# Allegro board 6089-103-RevA_73.brd (continued)
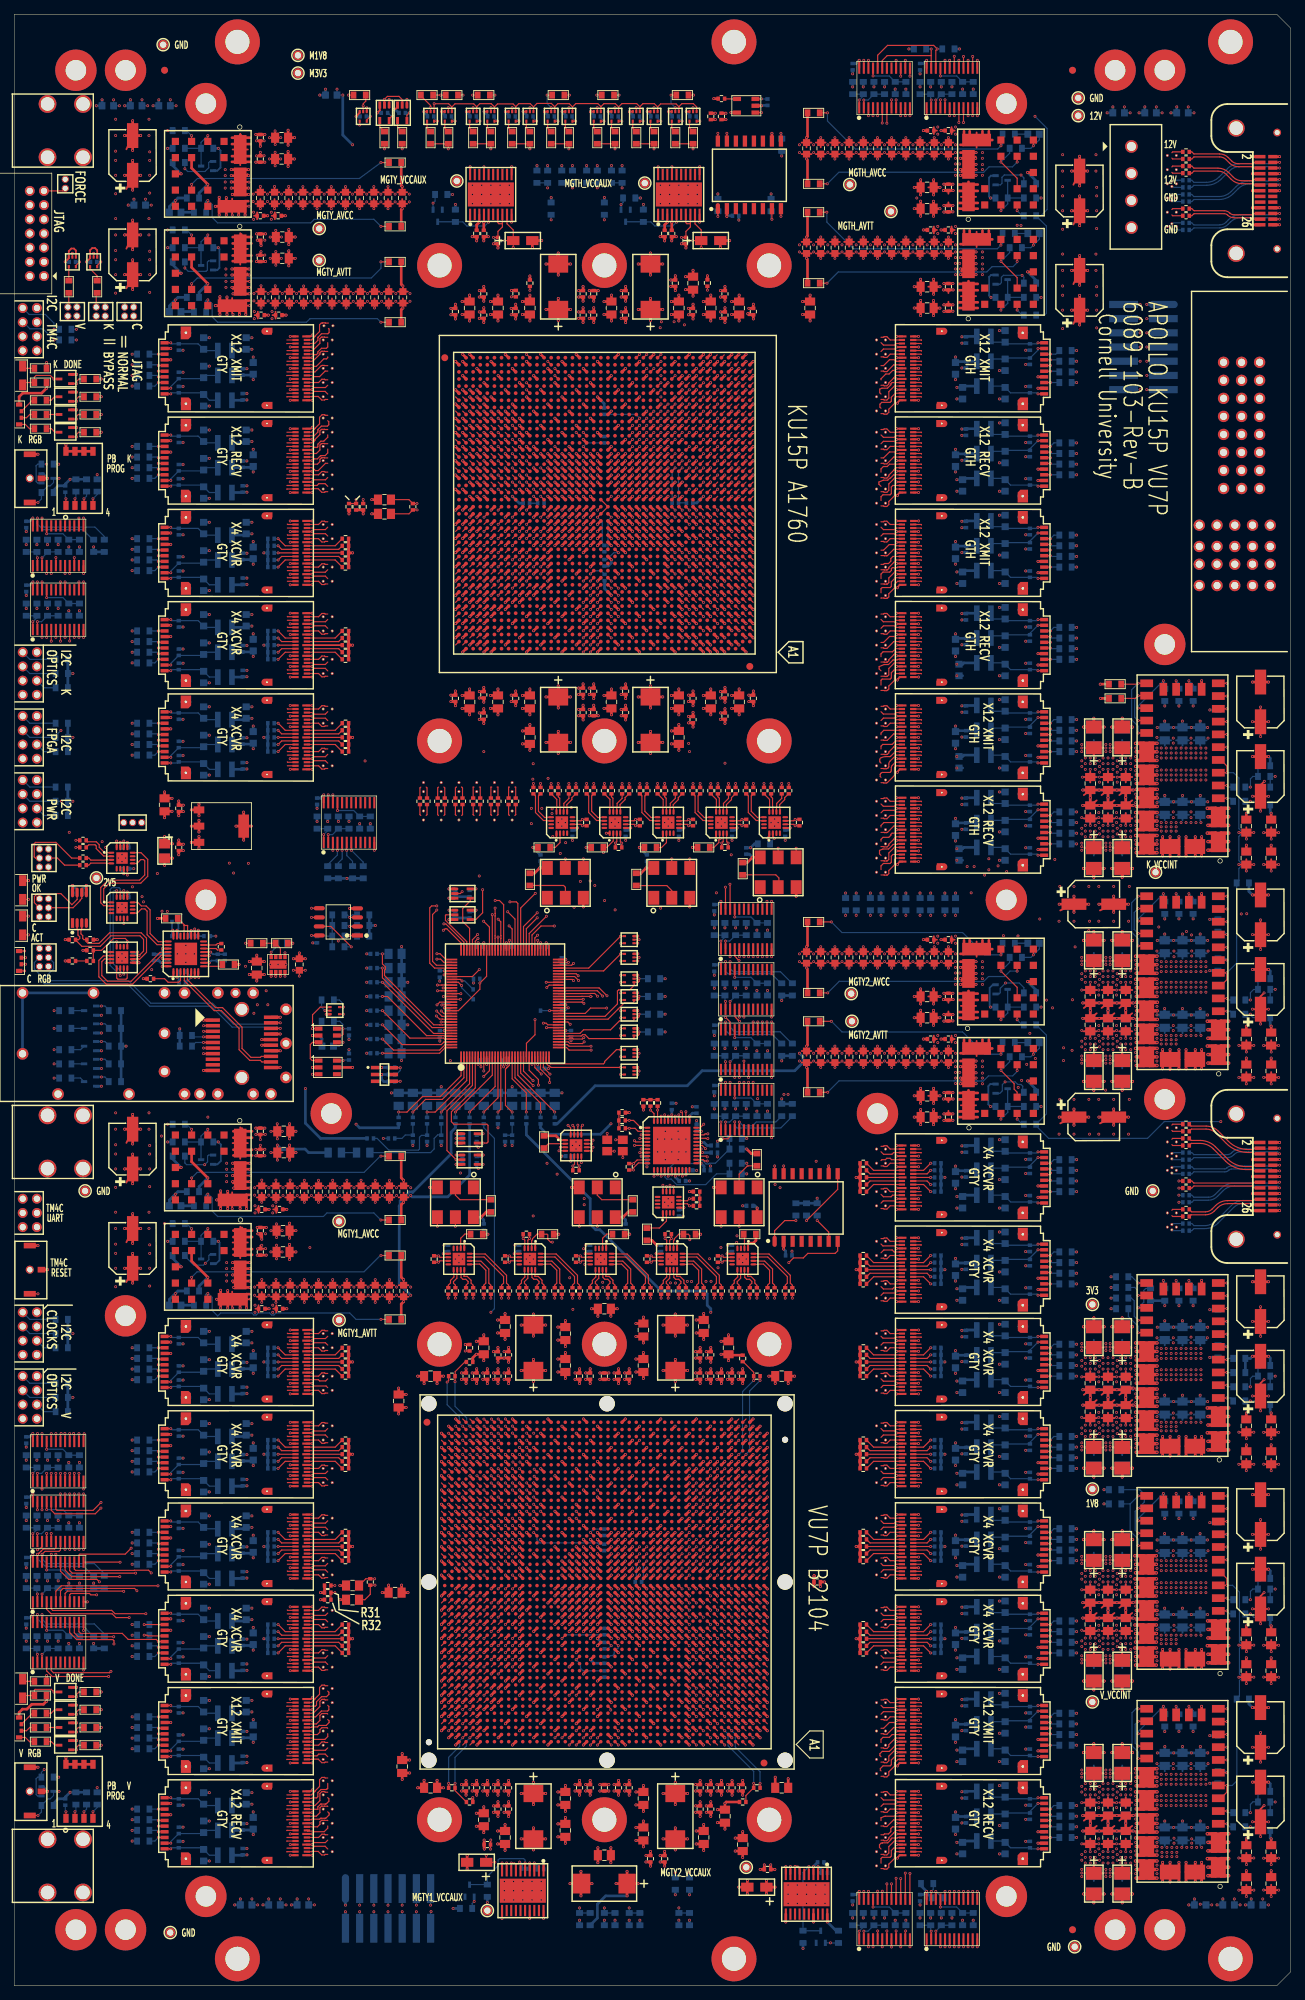
[diagram p0: board, top side]
## Routing (per net, layer and track width the routed paths; a pad name or vN(x,y) marks a point on that pad's centre or on a via; arc(x,y) is an arc through that point) (continued)
PV_FF1_RECV2: length 61.4
  TOP w0.165: 127.85,115.87 127.85,115.9 U110.B14 126.69,115.9 ; U66.AT2 105.15,69.86
  SIG1 w0.083: 127.85,115.87 127.69,116.02 127.11,116.01 124.41,116.01 arc(124.04,115.94) 123.73,115.73 121.33,113.33 arc(121.01,112.86) 120.9,112.31 120.9,105.78 arc(120.81,105.29) 120.53,104.88 113.63,97.98 arc(113.33,97.53) 113.23,97.01 113.23,76.44 arc(113.05,75.57) 112.56,74.83 107.29,69.56 arc(106.97,69.35) 106.59,69.27 105.93,69.27 arc(105.72,69.34) 105.58,69.52 arc(105.56,69.64) 105.57,69.77 arc(105.55,69.82) 105.51,69.86 arc(105.47,69.87) 105.43,69.86 105.15,69.86
PV_FF1_RECV3: length 60.3
  TOP w0.165: U66.AU4 103.17,70.85 ; U110.A14 123.49,115.9 123.03,115.44 122.64,115.44 122.56,115.52 122.2,115.52
  SIG1 w0.083: 103.17,70.85 103.45,70.85 arc(103.48,70.85) 103.5,70.83 103.56,70.77 103.57,70.77 arc(103.56,70.75) 103.56,70.73 103.56,70.67 arc(103.59,70.55) 103.65,70.45 103.77,70.33 arc(103.87,70.26) 103.99,70.24 106.09,70.24 arc(106.33,70.29) 106.54,70.43 111.69,75.57 arc(111.97,75.99) 112.06,76.48 112.06,97.12 arc(112.15,97.57) 112.41,97.96 119.57,105.12 arc(119.89,105.59) 119.99,106.14 119.99,114.83 arc(120.05,115.11) 120.21,115.35 120.57,115.71 arc(120.89,115.84) 121.22,115.73 arc(121.22,115.73) 121.22,115.72 arc(121.25,115.7) 121.27,115.67 arc(121.42,115.56) 121.61,115.53 arc(121.64,115.53) 121.68,115.53 arc(121.71,115.53) 121.75,115.53 122.19,115.53 122.2,115.52
PV_FF1_XMIT0: length 59.3
  TOP w0.165: U66.AP7 100.17,67.86 ; U110.A3 124.32,110.4 124.14,110.59 122.51,110.59 122.2,110.28
  SIG4 w0.083: 100.17,67.86 100.45,67.86 arc(100.48,67.86) 100.51,67.88 100.57,67.94 100.57,68.02 arc(100.59,68.13) 100.65,68.23 100.85,68.42 arc(100.94,68.49) 101.05,68.51 106.11,68.51 arc(106.45,68.58) 106.75,68.78 113.52,75.55 arc(113.93,76.16) 114.07,76.88 114.07,82.56 arc(114.21,83.24) 114.59,83.81 115.28,84.5 arc(115.59,84.96) 115.7,85.51 115.7,104.8 arc(115.77,105.17) 115.98,105.47 120.6,110.09 arc(120.73,110.18) 120.88,110.21 121.1,110.21 121.17,110.28 122.2,110.28
PV_FF1_XMIT1: length 60.9
  TOP w0.165: U66.AR9 98.17,68.87 ; U110.B3 127.89,110.4
  SIG2 w0.083: 98.17,68.87 98.19,68.85 98.55,68.85 arc(98.6,68.88) 98.63,68.93 98.63,69.13 arc(98.74,69.4) 99.01,69.52 106.2,69.52 arc(106.54,69.58) 106.82,69.78 115.12,78.08 arc(115.6,78.79) 115.77,79.64 115.77,95.4 arc(115.93,96.19) 116.38,96.86 119.68,100.16 arc(119.97,100.6) 120.08,101.12 120.08,103.52 arc(120.21,104.2) 120.59,104.77 125.43,109.61 arc(126.08,110.04) 126.84,110.19 127.68,110.19 127.89,110.4
PV_FF1_XMIT2: length 59.2
  TOP w0.165: 122.2,112.28 122.56,112.28 122.64,112.36 123.03,112.36 123.49,111.9 U110.A6 ; U66.AT7 100.17,69.86
  SIG4 w0.083: 122.2,112.28 121.44,112.28 arc(121.31,112.26) 121.21,112.19 121.05,112.03 120.96,112.03 arc(120.81,112) 120.69,111.91 115.01,106.24 arc(114.76,105.86) 114.67,105.43 114.67,85.7 arc(114.57,85.19) 114.28,84.76 113.66,84.14 arc(113.31,83.61) 113.19,82.98 113.19,77.97 arc(113.02,77.13) 112.54,76.42 106.82,70.7 arc(106.51,70.49) 106.15,70.42 100.96,70.42 arc(100.84,70.39) 100.75,70.33 100.68,70.26 arc(100.6,70.14) 100.57,69.99 100.57,69.94 100.51,69.89 arc(100.48,69.87) 100.45,69.86 100.17,69.86
PV_FF1_XMIT3: length 62.4
  TOP w0.165: 127.84,111.9 U110.B6 126.69,111.9 ; U66.AU9 98.17,70.85
  SIG2 w0.083: 98.17,70.85 98.31,70.85 arc(98.49,70.91) 98.6,71.05 arc(98.63,71.13) 98.67,71.21 arc(98.71,71.28) 98.76,71.34 98.79,71.37 arc(98.89,71.44) 99.01,71.46 106.03,71.46 arc(106.31,71.52) 106.55,71.67 114.4,79.52 arc(114.68,79.94) 114.78,80.44 114.78,87.58 arc(114.76,87.62) 114.72,87.64 arc(114.68,87.66) 114.66,87.7 114.66,87.91 arc(114.68,87.95) 114.72,87.97 arc(114.76,87.99) 114.78,88.03 114.78,97.38 arc(114.86,97.8) 115.1,98.16 118.57,101.63 arc(118.93,102.16) 119.05,102.78 119.05,107.97 arc(119.12,108.33) 119.32,108.63 121.32,110.63 arc(121.85,110.99) 122.47,111.11 123.58,111.11 arc(123.8,111.15) 123.98,111.28 124.24,111.54 arc(124.48,111.7) 124.76,111.75 127.69,111.75 127.84,111.9
PV_FF2_RECV0: length 54.9
  TOP w0.165: U66.AK2 105.15,63.87 ; 126.69,104.4 U111.B17 127.85,104.4 127.85,104.37
  SIG1 w0.083: 127.85,104.37 127.67,104.55 126.59,104.55 arc(126.01,104.44) 125.53,104.11 116,94.58 arc(115.69,94.13) 115.59,93.59 115.59,73.4 arc(115.3,71.97) 114.5,70.76 107.17,63.44 arc(106.97,63.3) 106.73,63.25 105.93,63.25 arc(105.82,63.27) 105.72,63.34 105.69,63.36 arc(105.62,63.47) 105.6,63.59 105.6,63.77 105.5,63.88 105.16,63.88 105.15,63.87
PV_FF2_RECV1: length 55.6
  TOP w0.165: U111.A17 124.32,104.4 124.17,104.25 122.47,104.25 122.2,104.52 ; U66.AL4 103.17,64.86
  SIG3 w0.083: 103.17,64.86 103.48,64.86 103.56,64.78 103.56,64.55 arc(103.61,64.39) 103.73,64.27 arc(103.83,64.24) 103.94,64.23 104.23,64.23 arc(104.38,64.26) 104.51,64.35 arc(104.67,64.57) 104.72,64.84 104.72,65.98 arc(104.72,66.02) 104.74,66.04 104.86,66.16 arc(104.96,66.23) 105.07,66.25 107.08,66.25 arc(107.54,66.34) 107.93,66.6 114.39,73.06 arc(114.79,73.65) 114.92,74.35 114.92,98.56 arc(115.02,99.06) 115.31,99.48 120.45,104.63 arc(120.58,104.71) 120.73,104.74 121,104.74 arc(121.02,104.74) 121.03,104.74 arc(121.11,104.72) 121.18,104.67 121.21,104.64 arc(121.34,104.55) 121.5,104.52 122.2,104.52
PV_FF2_RECV2: length 52.9
  TOP w0.165: 126.69,102.9 U111.B14 127.85,102.9 127.85,102.87 ; 104.69,65.41 105.15,65.87
  SIG3 w0.083: 127.85,102.87 127.69,103.03 124.7,103.03 arc(124.35,102.96) 124.05,102.76 116.95,95.66 arc(116.29,94.67) 116.06,93.51 116.06,74.57 arc(115.81,73.34) 115.12,72.29 108.35,65.53 arc(108.05,65.33) 107.7,65.26 106.03,65.26 arc(105.96,65.26) 105.89,65.28 arc(105.81,65.31) 105.73,65.35 arc(105.6,65.47) 105.55,65.65 105.55,65.8 arc(105.53,65.86) 105.47,65.88 105.16,65.88 105.15,65.87
PV_FF2_RECV3: length 51.7
  TOP w0.165: 122.2,102.52 122.56,102.52 122.64,102.44 123.03,102.44 123.49,102.9 U111.A14 ; U66.AN4 103.17,66.86
  SIG1 w0.083: 122.2,102.52 121.62,102.52 arc(121.43,102.54) 121.26,102.62 arc(121.23,102.64) 121.2,102.67 121.1,102.77 arc(121.06,102.79) 121.02,102.8 120.48,102.8 arc(120.04,102.71) 119.66,102.46 114.91,97.71 arc(114.53,97.13) 114.39,96.45 114.39,74.98 arc(114.23,74.16) 113.76,73.47 106.76,66.46 arc(106.59,66.35) 106.39,66.31 103.93,66.31 arc(103.82,66.33) 103.72,66.39 103.69,66.43 arc(103.6,66.57) 103.56,66.74 103.56,66.78 103.48,66.86 103.17,66.86
PV_FF2_XMIT0: length 50.3
  TOP w0.165: U66.AK7 100.17,63.87 ; 122.2,97.28 122.54,97.62 124.11,97.62 124.32,97.4 U111.A3
  SIG4 w0.083: 122.2,97.28 121.46,97.28 arc(121.35,97.26) 121.26,97.2 121.08,97.02 120.52,97.02 arc(120.3,96.98) 120.11,96.85 118.25,94.99 arc(118.05,94.7) 117.98,94.36 117.98,85.58 arc(117.82,84.76) 117.35,84.06 116.33,83.03 arc(115.98,82.5) 115.85,81.88 115.85,75.4 arc(115.58,74.04) 114.81,72.89 106.61,64.69 arc(106.42,64.56) 106.18,64.51 101.16,64.51 arc(100.94,64.47) 100.76,64.34 100.65,64.24 arc(100.59,64.14) 100.57,64.03 100.57,63.98 arc(100.56,63.95) 100.54,63.93 100.48,63.87 100.17,63.87
PV_FF2_XMIT1: length 52.1
  TOP w0.165: U66.AL9 98.17,64.86 ; U111.B3 127.89,97.4
  SIG2 w0.083: 127.89,97.4 127.73,97.25 126.21,97.25 arc(125.88,97.18) 125.59,96.99 118.52,89.92 arc(118.21,89.45) 118.1,88.89 118.1,78.36 arc(117.87,77.19) 117.2,76.2 106.76,65.76 arc(106.51,65.59) 106.21,65.53 99.06,65.53 arc(98.95,65.51) 98.86,65.44 98.65,65.24 arc(98.58,65.13) 98.56,65.01 98.56,64.94 98.48,64.86 98.17,64.86
PV_FF2_XMIT2: length 50.2
  TOP w0.165: 122.2,99.28 122.56,99.28 122.64,99.36 123.03,99.36 123.49,98.9 U111.A6 ; 99.71,65.41 100.17,65.87
  SIG4 w0.083: 122.2,99.28 122.16,99.32 121.51,99.32 arc(121.4,99.3) 121.3,99.24 121.12,99.06 arc(121.09,99.03) 121.04,99.02 120.72,99.02 arc(120.61,99) 120.52,98.94 117.1,95.52 arc(116.85,95.15) 116.77,94.71 116.77,85.46 arc(116.63,84.78) 116.25,84.21 115.57,83.53 arc(115.12,82.86) 114.96,82.07 114.96,75.95 arc(114.8,75.14) 114.34,74.45 106.54,66.65 arc(106.39,66.55) 106.22,66.52 101.04,66.52 arc(100.93,66.5) 100.84,66.43 100.65,66.25 arc(100.59,66.15) 100.57,66.04 100.57,65.99 arc(100.57,65.99) 100.56,65.98 arc(100.56,65.95) 100.54,65.93 100.48,65.87 100.17,65.87
PV_FF2_XMIT3: length 53.5
  TOP w0.165: 126.69,98.9 U111.B6 127.84,98.9 ; U66.AN9 98.17,66.86
  SIG2 w0.083: 98.17,66.86 98.48,66.86 98.56,66.95 98.56,67.1 arc(98.59,67.24) 98.67,67.37 98.68,67.37 arc(98.77,67.44) 98.88,67.46 106.18,67.46 arc(106.53,67.53) 106.83,67.73 116.17,77.07 arc(116.76,77.96) 116.97,79 116.97,92.47 arc(117.1,93.13) 117.47,93.69 121.26,97.47 arc(121.81,97.84) 122.46,97.97 123.33,97.97 arc(123.65,98.03) 123.92,98.21 124.1,98.39 arc(124.44,98.62) 124.84,98.7 127.64,98.7 127.64,98.7 127.84,98.9
PV_FF3_RECV0: length 45.8
  TOP w0.165: 126.69,91.4 U112.B17 127.85,91.4 127.85,91.37 ; U66.AF2 105.15,59.85
  SIG1 w0.083: 105.15,59.85 105.47,59.85 105.56,59.77 105.56,59.53 arc(105.64,59.32) 105.85,59.23 106.58,59.23 arc(106.68,59.25) 106.78,59.29 arc(106.82,59.32) 106.85,59.35 116.52,69.02 arc(117.42,70.38) 117.74,71.98 117.74,82.73 117.76,82.79 arc(117.76,82.81) 117.77,82.83 117.84,82.99 118.05,83.48 118.25,83.91 arc(118.3,84.01) 118.36,84.09 125.49,91.21 125.51,91.24 126.31,91.54 127.68,91.54 127.85,91.37
PV_FF3_RECV1: length 46.6
  TOP w0.165: U112.A17 124.32,91.4 124.18,91.25 122.47,91.25 122.2,91.52 ; U66.AG4 103.17,60.87
  SIG3 w0.083: 122.2,91.52 122.19,91.53 121.49,91.53 arc(121.42,91.54) 121.36,91.58 121.21,91.73 arc(121.13,91.78) 121.03,91.8 120.16,91.8 arc(119.88,91.75) 119.65,91.59 117.54,89.48 arc(117.27,89.08) 117.18,88.62 117.18,74 arc(116.96,72.87) 116.32,71.91 106.81,62.4 arc(106.63,62.29) 106.43,62.24 105.23,62.24 arc(105.06,62.21) 104.92,62.11 104.8,62 arc(104.77,61.96) 104.76,61.9 104.76,60.58 arc(104.74,60.46) 104.67,60.36 104.6,60.29 arc(104.5,60.22) 104.38,60.2 103.92,60.2 arc(103.67,60.31) 103.56,60.56 103.56,60.72 arc(103.56,60.75) 103.57,60.79 103.56,60.79 103.48,60.87 103.17,60.87
PV_FF3_RECV2: length 43.6
  TOP w0.165: 127.85,89.87 127.85,89.9 U112.B14 126.69,89.9 ; U66.AH2 105.15,61.86
  SIG3 w0.083: 105.15,61.86 105.43,61.86 arc(105.52,61.82) 105.56,61.73 105.56,61.62 arc(105.58,61.5) 105.65,61.4 105.73,61.32 arc(105.84,61.24) 105.98,61.22 107.21,61.22 117.24,71.25 arc(118.06,72.48) 118.35,73.92 118.35,83.7 arc(118.45,84.2) 118.73,84.62 123.64,89.54 arc(124.19,89.9) 124.83,90.03 127.69,90.03 127.85,89.87
PV_FF3_RECV3: length 43.3
  TOP w0.165: 122.2,89.52 122.56,89.52 122.64,89.44 123.03,89.44 123.49,89.9 U112.A14 ; U66.AJ4 103.17,62.88
  SIG1 w0.083: 122.2,89.52 121.45,89.52 arc(121.32,89.55) 121.2,89.62 121.08,89.74 arc(121.03,89.78) 120.96,89.79 120.39,89.79 arc(119.84,89.68) 119.36,89.36 117.62,87.62 arc(116.85,86.47) 116.58,85.1 116.58,73.27 arc(116.17,71.22) 115.01,69.47 108.13,62.6 arc(107.8,62.38) 107.41,62.3 103.9,62.3 arc(103.65,62.41) 103.55,62.67 103.56,62.77 arc(103.54,62.83) 103.48,62.87 103.44,62.88 103.17,62.88
PV_FF3_XMIT0: length 41.6
  TOP w0.165: U112.A3 124.32,84.4 124.13,84.59 122.51,84.59 122.2,84.28 ; U66.AF7 100.17,59.85
  SIG4 w0.083: 100.17,59.85 100.48,59.85 100.57,59.94 100.57,60.13 arc(100.59,60.24) 100.65,60.34 100.68,60.37 arc(100.78,60.44) 100.89,60.46 106.12,60.46 arc(106.41,60.52) 106.67,60.69 117.59,71.61 arc(117.78,71.9) 117.85,72.24 117.85,81.05 arc(117.94,81.51) 118.2,81.9 119.8,83.5 arc(120.3,83.83) 120.89,83.95 121.01,83.95 arc(121.08,83.96) 121.15,84.01 121.33,84.2 arc(121.43,84.26) 121.54,84.28 122.2,84.28
PV_FF3_XMIT1: length 43.2
  TOP w0.165: U112.B3 127.89,84.4 ; U66.AG9 98.17,60.87
  SIG2 w0.083: 127.89,84.4 127.69,84.2 127.69,84.2 126.51,84.2 arc(125.86,84.07) 125.31,83.7 120.94,79.33 arc(120.6,78.83) 120.48,78.23 120.48,76.66 arc(120.26,75.55) 119.63,74.61 106.48,61.46 98.89,61.46 arc(98.77,61.44) 98.68,61.37 98.64,61.34 arc(98.58,61.25) 98.56,61.13 98.56,60.95 98.48,60.87 98.17,60.87
PV_FF3_XMIT2: length 41.5
  TOP w0.165: U112.A6 123.49,85.9 123.03,86.36 122.64,86.36 122.56,86.28 122.2,86.28 ; U66.AH7 100.17,61.86
  SIG4 w0.083: 100.17,61.86 100.48,61.86 100.57,61.94 100.57,62.09 arc(100.59,62.23) 100.66,62.35 arc(100.77,62.43) 100.9,62.46 106.33,62.46 arc(106.37,62.47) 106.4,62.49 116.57,72.66 arc(116.7,72.85) 116.74,73.07 116.74,81.68 arc(116.83,82.15) 117.1,82.54 120.4,85.84 arc(120.58,85.97) 120.8,86.01 120.96,86.01 arc(121.07,86.03) 121.16,86.09 121.18,86.11 arc(121.37,86.24) 121.59,86.28 122.2,86.28
PV_FF3_XMIT3: length 44.4
  TOP w0.165: 127.84,85.9 U112.B6 126.69,85.9 ; U66.AJ9 98.17,62.88
  SIG2 w0.083: 98.17,62.88 98.48,62.88 98.53,62.93 arc(98.55,62.96) 98.56,62.99 98.56,63.13 arc(98.58,63.25) 98.64,63.34 98.68,63.37 arc(98.77,63.44) 98.88,63.46 106.38,63.46 118.67,75.75 arc(119.33,76.73) 119.56,77.89 119.56,81.97 arc(119.69,82.65) 120.08,83.23 120.98,84.14 120.98,84.14 121.32,84.48 121.33,84.48 121.4,84.55 arc(121.88,84.87) 122.45,84.98 123.24,84.98 arc(123.66,85.07) 124,85.3 124.18,85.48 arc(124.43,85.64) 124.72,85.7 127.64,85.7 127.64,85.7 127.84,85.9
PV_FF4_RECV0: length 40.4
  TOP w0.165: U66.AB2 105.15,54.94 ; 127.85,78.37 127.85,78.4 U113.B17 126.69,78.4
  SIG1 w0.083: 127.85,78.37 127.7,78.52 124.77,78.52 arc(124.54,78.47) 124.34,78.34 123.97,77.97 arc(123.79,77.7) 123.73,77.39 123.73,77.34 arc(123.65,76.94) 123.42,76.59 121.52,74.69 arc(121.11,74.07) 120.97,73.35 120.97,66.16 arc(120.79,65.24) 120.27,64.46 110.71,54.9 arc(110.05,54.46) 109.28,54.3 105.98,54.3 arc(105.91,54.31) 105.85,54.32 arc(105.77,54.35) 105.69,54.39 arc(105.59,54.5) 105.56,54.64 105.56,54.85 105.47,54.94 105.15,54.94
PV_FF4_RECV1: length 38.4
  TOP w0.165: U66.AC4 103.17,55.93 ; U113.A17 124.32,78.4 124.12,78.19 122.53,78.19 122.2,78.52
  SIG3 w0.083: 122.2,78.52 121.42,78.52 arc(121.31,78.54) 121.21,78.61 121.13,78.69 arc(121.04,78.75) 120.93,78.77 120.57,78.77 arc(120.39,78.73) 120.24,78.63 119.49,77.88 arc(119.36,77.69) 119.31,77.45 119.31,72.95 arc(119.08,71.82) 118.44,70.86 107.19,59.61 arc(106.81,59.36) 106.36,59.27 104.83,59.27 arc(104.8,59.26) 104.78,59.25 104.75,59.22 arc(104.73,59.18) 104.72,59.15 104.72,55.68 arc(104.7,55.56) 104.63,55.47 104.6,55.44 arc(104.5,55.37) 104.39,55.35 103.89,55.35 arc(103.78,55.37) 103.68,55.44 103.65,55.47 arc(103.58,55.56) 103.56,55.68 103.56,55.77 arc(103.55,55.84) 103.51,55.9 103.48,55.93 103.17,55.93
PV_FF4_RECV2: length 34.3
  TOP w0.165: U66.AD2 105.15,57.87 ; 126.69,76.9 U113.B14 127.85,76.9 127.85,76.87
  SIG3 w0.083: 105.15,57.87 105.47,57.87 105.56,57.79 105.56,57.7 arc(105.59,57.51) 105.7,57.36 105.86,57.29 106.43,57.29 arc(106.85,57.38) 107.2,57.62 119.54,69.95 arc(120.22,70.97) 120.46,72.17 120.46,72.53 arc(120.59,73.19) 120.97,73.75 123.92,76.71 arc(124.36,77) 124.87,77.1 127.62,77.1 127.85,76.87
PV_FF4_RECV3: length 33.9
  TOP w0.165: 122.2,76.52 122.56,76.52 122.64,76.44 123.03,76.44 123.49,76.9 U113.A14 ; U66.AE4 103.17,58.86
  SIG1 w0.083: 122.2,76.52 122.19,76.53 121.45,76.53 arc(121.41,76.53) 121.39,76.55 121.14,76.8 arc(121.06,76.85) 120.97,76.87 120.8,76.87 arc(120.77,76.86) 120.74,76.84 120.07,76.18 arc(119.87,75.87) 119.8,75.52 119.8,72.27 arc(119.53,70.91) 118.76,69.75 107.51,58.51 arc(107.24,58.32) 106.92,58.26 103.97,58.26 arc(103.82,58.29) 103.68,58.36 arc(103.65,58.38) 103.62,58.4 103.56,58.5 103.56,58.78 103.48,58.86 103.17,58.86
PV_FF4_XMIT0: length 35.1
  TOP w0.165: U113.A3 124.32,71.4 124.11,71.61 122.53,71.61 122.2,71.28 ; U66.AB7 100.17,54.94
  SIG4 w0.083: 100.17,54.94 100.48,54.94 100.57,55.02 100.57,55.25 arc(100.59,55.37) 100.65,55.46 100.65,55.47 arc(100.75,55.53) 100.86,55.55 109.09,55.55 arc(109.36,55.6) 109.59,55.76 119.5,65.66 arc(119.9,66.27) 120.04,66.98 120.04,70.33 arc(120.08,70.51) 120.18,70.66 120.39,70.88 arc(120.57,71) 120.78,71.04 121.02,71.04 arc(121.14,71.06) 121.24,71.13 121.28,71.17 arc(121.4,71.25) 121.55,71.28 122.2,71.28
PV_FF4_XMIT1: length 38
  TOP w0.165: U66.AC9 98.17,55.93 ; U113.B3 127.89,71.4
  SIG2 w0.083: 127.89,71.4 127.68,71.19 124.74,71.19 arc(123.98,71.04) 123.33,70.61 123.06,70.34 arc(122.53,69.99) 121.9,69.86 120.04,69.86 arc(119.13,69.68) 118.36,69.17 105.96,56.76 98.88,56.76 arc(98.77,56.74) 98.68,56.67 98.64,56.64 arc(98.58,56.55) 98.56,56.43 98.56,56.01 98.48,55.93 98.17,55.93
PV_FF4_XMIT2: length 32.9
  TOP w0.165: 122.2,73.28 122.56,73.28 122.64,73.36 123.03,73.36 123.49,72.9 U113.A6 ; U66.AD7 100.17,57.87
  SIG4 w0.083: 100.17,57.87 100.48,57.87 100.57,57.96 100.57,58.17 arc(100.59,58.29) 100.65,58.38 100.69,58.41 arc(100.78,58.48) 100.89,58.5 106.23,58.5 arc(106.6,58.57) 106.92,58.79 118.7,70.57 arc(119,71.01) 119.1,71.53 119.1,71.81 arc(119.17,72.18) 119.39,72.5 119.66,72.77 arc(119.97,72.98) 120.33,73.05 120.87,73.05 arc(120.99,73.07) 121.09,73.14 121.1,73.15 arc(121.25,73.25) 121.42,73.28 122.2,73.28
PV_FF4_XMIT3: length 37.3
  TOP w0.165: U66.AE9 98.17,58.86 ; 127.84,72.9 U113.B6 126.69,72.9
  SIG2 w0.083: 98.17,58.86 98.48,58.86 98.56,58.95 98.56,59.17 arc(98.58,59.29) 98.66,59.4 98.68,59.42 arc(98.77,59.49) 98.88,59.51 106.48,59.51 118.53,71.55 arc(119.04,71.9) 119.64,72.02 123.21,72.02 arc(123.68,72.11) 124.08,72.38 124.12,72.42 arc(124.44,72.63) 124.8,72.7 127.64,72.7 127.64,72.7 127.84,72.9
PV_FF5_RECV0: length 31.2
  TOP w0.165: U66.V2 105.15,50.92 ; 127.85,65.37 127.85,65.4 U114.B17 126.69,65.4
  SIG1 w0.083: 105.15,50.92 105.47,50.92 105.56,50.84 105.56,50.71 arc(105.58,50.59) 105.65,50.49 105.71,50.42 arc(105.81,50.35) 105.93,50.33 110.61,50.33 125.5,65.23 arc(125.84,65.45) 126.24,65.53 127.69,65.53 127.85,65.37
PV_FF5_RECV1: length 34.1
  TOP w0.165: U66.W4 103.17,51.94 ; U114.A17 124.32,65.4 124.07,65.15 122.57,65.15 122.2,65.52
  SIG3 w0.083: 103.17,51.94 103.48,51.94 103.56,51.86 103.56,51.66 arc(103.56,51.62) 103.54,51.6 103.44,51.5 arc(103.42,51.49) 103.39,51.48 102.89,51.48 arc(102.86,51.49) 102.83,51.5 102.77,51.57 arc(102.73,51.63) 102.71,51.7 102.71,54.18 102.83,54.29 109.28,54.29 arc(110.05,54.45) 110.71,54.88 113.13,57.31 arc(113.4,57.71) 113.5,58.19 113.5,58.91 arc(113.57,59.28) 113.78,59.59 116.03,61.84 arc(116.14,61.88) 116.24,61.84 arc(116.35,61.8) 116.45,61.84 116.47,61.86 arc(116.52,61.97) 116.47,62.07 arc(116.43,62.18) 116.47,62.29 116.5,62.31 arc(116.6,62.35) 116.71,62.31 arc(116.81,62.26) 116.92,62.31 116.94,62.33 arc(116.99,62.43) 116.94,62.54 arc(116.9,62.65) 116.94,62.75 116.96,62.77 arc(117.07,62.82) 117.17,62.77 arc(117.28,62.73) 117.39,62.77 117.41,62.8 arc(117.45,62.9) 117.41,63.01 arc(117.36,63.11) 117.41,63.22 119.79,65.6 arc(119.93,65.69) 120.09,65.72 121,65.72 arc(121.04,65.73) 121.07,65.73 arc(121.07,65.73) 121.07,65.73 121.08,65.72 121.09,65.72 arc(121.14,65.71) 121.18,65.68 121.24,65.62 arc(121.36,65.55) 121.5,65.52 122.2,65.52
PV_FF5_RECV2: length 29.7
  TOP w0.165: 127.85,63.87 127.85,63.9 U114.B14 126.69,63.9 ; U66.Y2 105.15,52.93
  SIG3 w0.083: 127.85,63.87 127.68,64.04 124.78,64.04 arc(124,63.89) 123.34,63.44 113.25,53.36 arc(112.07,52.56) 110.67,52.29 105.93,52.29 arc(105.77,52.32) 105.64,52.4 105.64,52.41 arc(105.58,52.5) 105.56,52.61 105.56,52.81 arc(105.55,52.84) 105.53,52.87 105.47,52.93 105.15,52.93
PV_FF5_RECV3: length 28.1
  TOP w0.165: 122.2,63.52 122.56,63.52 122.64,63.44 123.03,63.44 123.49,63.9 U114.A14 ; U66.AA4 103.17,53.95
  SIG1 w0.083: 122.2,63.52 122.19,63.53 121.54,63.53 arc(121.42,63.55) 121.32,63.62 121.19,63.75 arc(121.13,63.78) 121.07,63.77 arc(120.74,63.63) 120.41,63.47 arc(120.38,63.45) 120.35,63.42 arc(120.17,63.11) 120.11,62.76 arc(119.88,61.65) 119.25,60.7 112.49,53.94 arc(111.88,53.53) 111.16,53.39 103.94,53.39 arc(103.78,53.44) 103.67,53.57 103.6,53.74 arc(103.48,53.89) 103.29,53.95 103.17,53.95
PV_FF5_XMIT0: length 29
  TOP w0.165: U114.A3 124.32,58.4 124.11,58.62 122.54,58.62 122.2,58.28 ; U66.V7 100.17,50.92
  SIG4 w0.083: 122.2,58.28 121.37,58.28 arc(121.23,58.25) 121.11,58.17 120.98,58.04 arc(120.95,58.02) 120.91,58.01 120.73,58.01 arc(120.62,57.99) 120.53,57.92 114.86,52.25 arc(114.13,51.76) 113.27,51.59 100.89,51.59 arc(100.78,51.57) 100.68,51.51 100.65,51.47 arc(100.59,51.38) 100.57,51.27 100.57,51.04 arc(100.57,51.02) 100.57,51.01 arc(100.57,51.01) 100.57,51.01 100.48,50.92 100.17,50.92
PV_FF5_XMIT1: length 34
  TOP w0.165: U66.W9 98.17,51.94 ; U114.B3 127.89,58.4
  SIG2 w0.083: 127.89,58.4 127.68,58.19 127.22,58.19 arc(126.77,58.1) 126.38,57.84 124.28,55.74 arc(123.62,55.3) 122.83,55.15 117.99,55.15 arc(116.8,54.91) 115.79,54.23 114.72,53.17 arc(114.07,52.74) 113.31,52.58 98.88,52.58 arc(98.77,52.56) 98.68,52.5 98.65,52.47 arc(98.58,52.37) 98.56,52.25 98.56,52.02 98.48,51.94 98.17,51.94
PV_FF5_XMIT2: length 29
  TOP w0.165: U114.A6 123.49,59.9 123.03,60.36 122.64,60.36 122.56,60.28 122.2,60.28 ; U66.Y7 100.17,52.93
  SIG4 w0.083: 100.17,52.93 100.48,52.93 100.57,53.01 100.57,53.27 arc(100.59,53.39) 100.65,53.48 100.68,53.51 arc(100.78,53.58) 100.89,53.6 113.21,53.6 arc(113.62,53.68) 113.97,53.91 119.74,59.68 arc(120.1,59.92) 120.53,60.01 120.9,60.01 arc(120.95,60.02) 120.99,60.05 121.14,60.2 arc(121.23,60.26) 121.34,60.28 122.2,60.28
PV_FF5_XMIT3: length 33.9
  TOP w0.165: 127.84,59.9 U114.B6 126.69,59.9 ; U66.AA9 98.17,53.95
  SIG2 w0.083: 127.84,59.9 127.67,59.74 124.87,59.74 arc(124.47,59.66) 124.14,59.43 123.95,59.25 arc(123.65,59.05) 123.3,58.98 119.4,58.98 arc(118.74,58.85) 118.17,58.47 114.72,55.02 arc(114.24,54.7) 113.67,54.58 98.93,54.58 arc(98.77,54.54) 98.64,54.43 arc(98.61,54.37) 98.58,54.3 arc(98.56,54.23) 98.56,54.15 98.56,54.03 98.48,53.95 98.17,53.95
PV_FF6_RECV0: length 27.3
  TOP w0.165: U66.P2 105.15,46.94 ; 126.69,52.4 U115.B17 127.85,52.4 127.85,52.37
  SIG1 w0.083: 105.15,46.94 105.44,46.94 105.53,46.85 105.53,46.69 arc(105.55,46.57) 105.61,46.48 105.66,46.43 arc(105.76,46.36) 105.87,46.34 118.5,46.34 arc(120.06,46.65) 121.38,47.53 123.01,49.17 arc(123.48,49.48) 124.04,49.59 124.04,49.59 arc(124.35,49.66) 124.6,49.83 127.27,52.49 arc(127.37,52.56) 127.48,52.58 127.53,52.58 arc(127.63,52.56) 127.71,52.51 127.85,52.37
PV_FF6_RECV1: length 28.9
  TOP w0.165: 122.2,52.52 122.54,52.18 124.1,52.18 124.32,52.4 U115.A17 ; U66.R4 103.17,47.93
  SIG3 w0.083: 122.2,52.52 121.34,52.52 arc(121.19,52.55) 121.07,52.63 121,52.7 arc(120.9,52.77) 120.78,52.79 119.99,52.79 arc(119.92,52.76) 119.89,52.69 arc(119.85,52.61) 119.78,52.58 119.66,52.58 arc(119.59,52.61) 119.56,52.69 arc(119.52,52.76) 119.45,52.79 119.33,52.79 arc(119.26,52.76) 119.23,52.69 arc(119.19,52.61) 119.12,52.58 119,52.58 arc(118.93,52.61) 118.9,52.69 arc(118.86,52.76) 118.79,52.79 118.67,52.79 arc(118.6,52.76) 118.57,52.69 arc(118.53,52.61) 118.46,52.58 118.34,52.58 arc(118.27,52.61) 118.24,52.69 arc(118.2,52.76) 118.13,52.79 118.01,52.79 arc(117.94,52.76) 117.91,52.69 arc(117.87,52.61) 117.8,52.58 117.68,52.58 arc(117.61,52.61) 117.58,52.69 arc(117.54,52.76) 117.47,52.79 116.37,52.79 arc(115,52.52) 113.84,51.74 113.51,51.42 arc(112.32,50.62) 110.92,50.34 103.22,50.34 arc(103.04,50.3) 102.89,50.2 arc(102.84,50.14) 102.83,50.06 102.83,47.8 arc(102.85,47.7) 102.9,47.61 102.97,47.55 arc(102.99,47.53) 103.03,47.53 103.45,47.53 arc(103.48,47.53) 103.5,47.55 103.54,47.58 arc(103.56,47.61) 103.56,47.64 103.56,47.84 103.48,47.93 103.17,47.93
PV_FF6_RECV2: length 26
  TOP w0.165: 126.69,50.9 U115.B14 127.85,50.9 127.85,50.87 ; U66.T2 105.15,48.94
  SIG3 w0.083: 127.85,50.87 127.67,51.05 124.8,51.05 arc(124.15,50.92) 123.61,50.56 122.19,49.14 arc(121.26,48.52) 120.16,48.3 105.91,48.3 105.91,48.3 105.85,48.32 105.68,48.38 arc(105.65,48.41) 105.63,48.44 105.6,48.5 105.59,48.51 105.57,48.57 105.56,48.6 arc(105.55,48.64) 105.55,48.68 105.55,48.87 105.5,48.92 arc(105.47,48.94) 105.44,48.94 105.15,48.94
PV_FF6_RECV3: length 23.8
  TOP w0.165: 122.2,50.52 122.56,50.52 122.64,50.44 123.03,50.44 123.49,50.9 U115.A14 ; U66.U4 103.17,49.93
  SIG1 w0.083: 103.17,49.93 103.44,49.93 arc(103.5,49.94) 103.56,49.91 arc(103.56,49.88) 103.56,49.84 arc(103.56,49.77) 103.56,49.69 arc(103.61,49.53) 103.74,49.42 103.86,49.37 arc(103.94,49.35) 104.02,49.34 117.22,49.34 arc(117.83,49.46) 118.35,49.81 118.95,50.41 arc(119.37,50.69) 119.86,50.79 120.72,50.79 arc(120.76,50.79) 120.8,50.78 arc(120.91,50.74) 121.01,50.68 arc(121.19,50.56) 121.4,50.52 122.2,50.52
PV_FF6_XMIT0: length 27.3
  TOP w0.165: 122.2,45.28 122.52,45.6 124.12,45.6 124.32,45.4 U115.A3 ; U66.P7 100.17,46.94
  SIG4 w0.083: 100.17,46.94 100.48,46.94 100.54,46.99 arc(100.55,47.02) 100.56,47.05 100.57,47.06 100.57,47.14 100.57,47.27 100.6,47.4 100.61,47.41 100.61,47.42 100.65,47.46 100.73,47.54 100.75,47.54 100.89,47.58 116.96,47.58 arc(117.34,47.5) 117.67,47.29 119.52,45.43 arc(119.92,45.17) 120.38,45.07 120.95,45.07 arc(121.01,45.09) 121.06,45.12 121.18,45.24 arc(121.21,45.26) 121.25,45.27 121.41,45.27 121.41,45.27 121.72,45.27 121.72,45.27 122.19,45.27 122.2,45.28
PV_FF6_XMIT1: length 33.3
  TOP w0.165: U66.R9 98.17,47.93 ; U115.B3 127.89,45.4
  SIG2 w0.083: 127.89,45.4 127.73,45.24 124.67,45.24 arc(124.2,45.33) 123.8,45.6 123.55,45.84 arc(123.26,46.04) 122.91,46.11 120.25,46.11 arc(119.96,46.17) 119.71,46.33 117.71,48.34 arc(117.42,48.53) 117.08,48.6 98.88,48.6 arc(98.77,48.57) 98.68,48.51 98.64,48.48 arc(98.58,48.38) 98.56,48.27 98.56,48.01 98.48,47.93 98.17,47.93